# Altium PCB STM32F7_CoreBoard.PcbDoc (part 7 of 8)
Units mm, origin at the board's own origin, x right, y up, seen from the top; angles counter-clockwise.
Board outline 65 x 50 mm, 6 copper layers (L1, L2, L3, L4, L5, L6), stack 1.597 mm thick; 114 components, 192 nets, 736 pads, 791 vias.
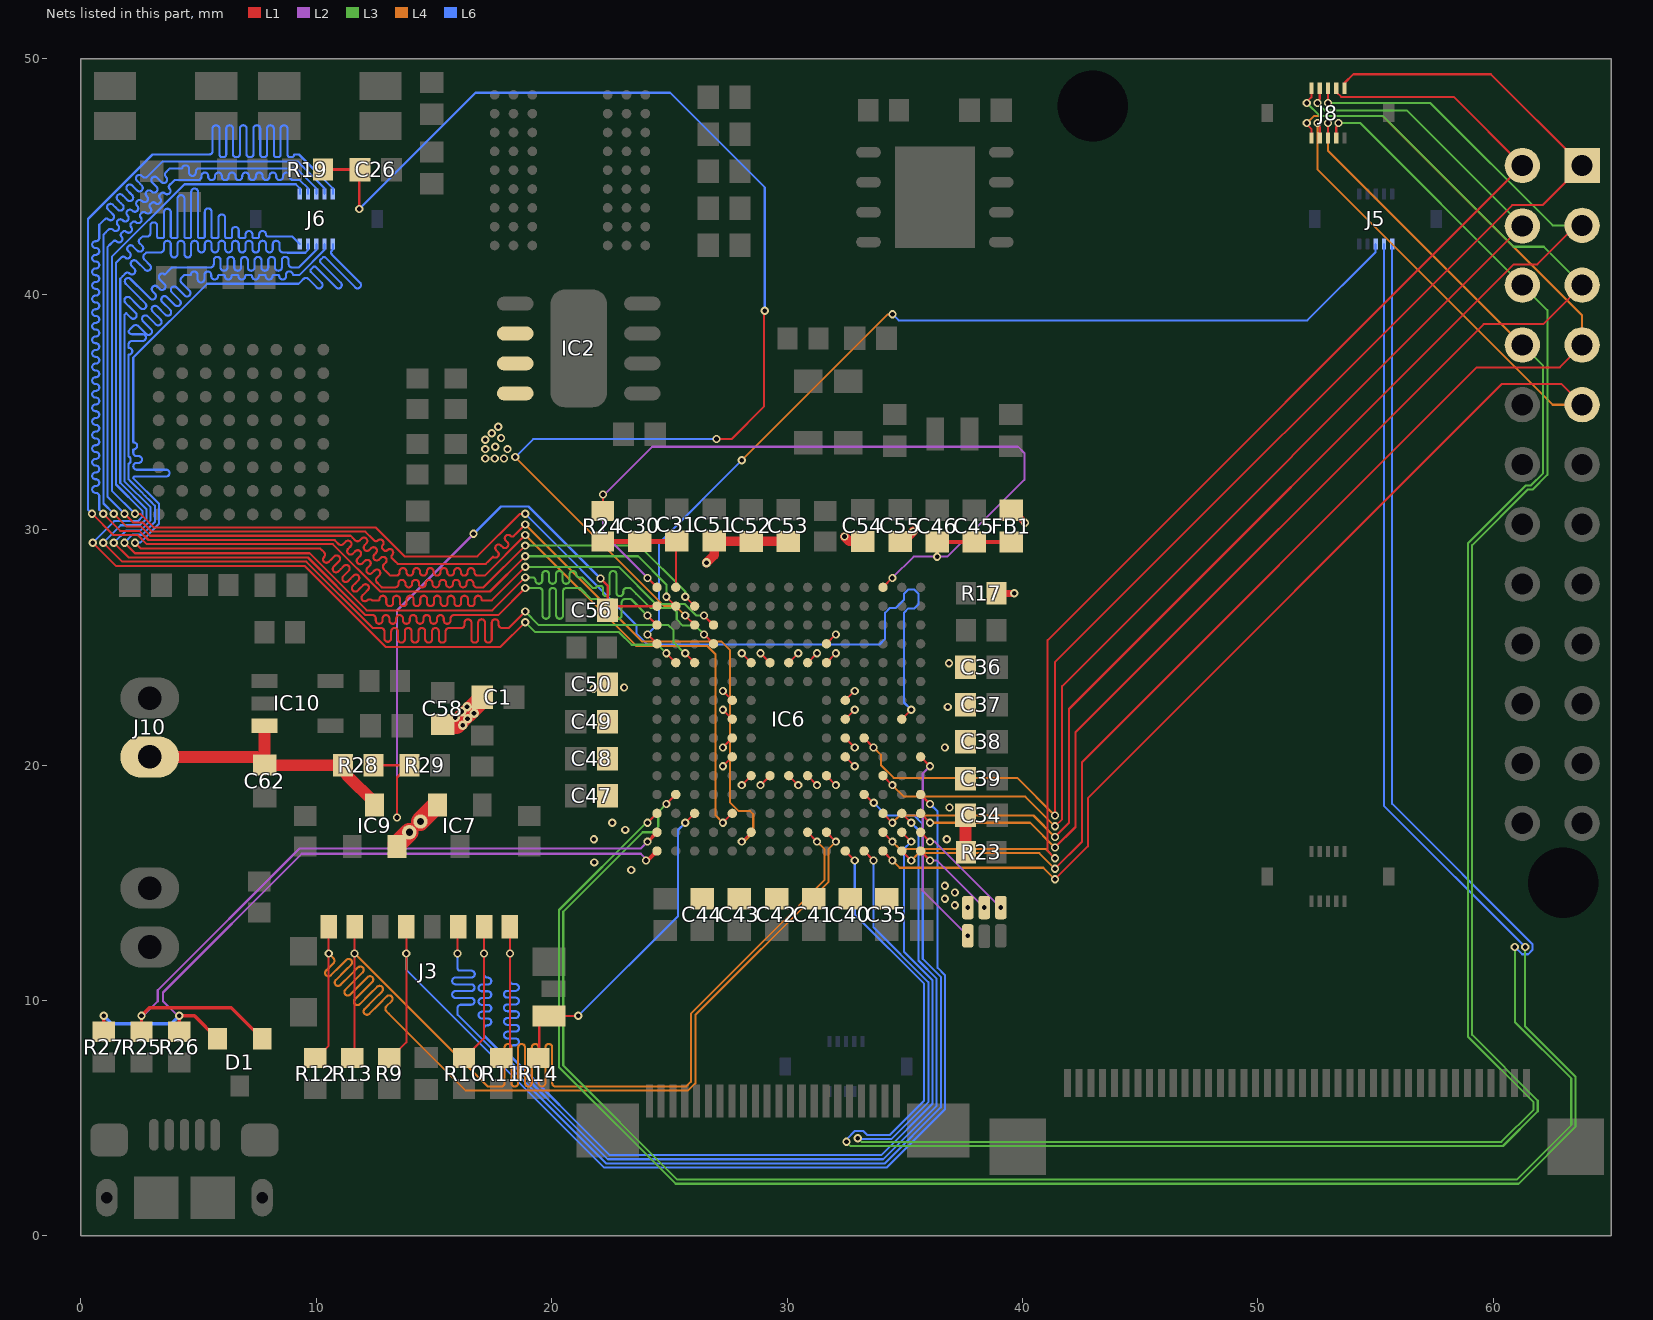
[diagram p11: the nets of this part, all layers, seen from the top]

## Via types
v1: diameter 0.35, hole 0.2, L1 to L6, tented both sides, 737 vias
v2: diameter 0.5, hole 0.25, L1 to L6, tented both sides, 20 vias
v3: diameter 0.4, hole 0.2, L1 to L6, tented both sides, 16 vias
v4: diameter 0.5, hole 0.2, L1 to L6, 12 vias
v5: diameter 0.5, hole 0.5, L1 to L6, 4 vias
v6: diameter 0.6, hole 0.3, L1 to L6, tented both sides, 2 vias

## Nets (pads, with @x,y where several pads share a name; then routed paths per layer and width w, separated by ;. In a path a pad name is that pad's centre, name@x,y a point inside that pad or via, vN(x,y) a via of type N, cw(c..) or ccw(c..) an arc to the next point about the centre after c; other vN are vias at no path point) (continued)
RMII_CRS_DV: IC6.R3 J6.5 | length 67.8
  L1 w0.089: v1(1.4,29.45) 2.028,28.822 9.644,28.822 12.091,26.375 12.236,26.375 12.38,26.375 cw(c12.38,26.231) 12.525,26.231 12.525,26.147 ccw(c12.669,26.147) 12.669,26.003 ccw(c12.669,26.147) 12.814,26.147 12.814,26.231 cw(c12.958,26.231) 12.958,26.375 cw(c12.958,26.231) 13.103,26.231 13.103,26.147 ccw(c13.247,26.147) 13.247,26.003 ccw(c13.247,26.147) 13.392,26.147 13.392,26.231 cw(c13.536,26.231) 13.536,26.375 cw(c13.536,26.231) 13.68,26.231 13.68,26.147 ccw(c13.825,26.147) 13.825,26.003 ccw(c13.825,26.147) 13.969,26.147 13.969,26.231 cw(c14.114,26.231) 14.114,26.375 cw(c14.114,26.231) 14.258,26.231 14.258,26.147 ccw(c14.403,26.147) 14.403,26.003 ccw(c14.403,26.147) 14.547,26.147 14.547,26.231 cw(c14.692,26.231) 14.692,26.375 cw(c14.692,26.231) 14.836,26.231 14.836,26.147 ccw(c14.98,26.147) 14.98,26.003 ccw(c14.98,26.147) 15.125,26.147 15.125,26.231 cw(c15.269,26.231) 15.269,26.375 cw(c15.269,26.231) 15.414,26.231 15.414,26.147 ccw(c15.558,26.147) 15.558,26.003 ccw(c15.558,26.147) 15.703,26.147 15.703,26.231 cw(c15.847,26.231) 15.847,26.375 15.992,26.375 16.225,26.375 17.725,26.375 v1(18.875,27.525) ; v1(24.07,26.353) IC6.R3@24.47,25.953
  L3 w0.089: v1(18.875,27.525) 19.034,27.525 19.322,27.525 19.467,27.525 cw(c19.467,27.381) 19.611,27.381 19.611,26.361 ccw(c19.756,26.361) 19.756,26.217 ccw(c19.756,26.361) 19.9,26.361 19.9,27.381 cw(c20.045,27.381) 20.045,27.525 cw(c20.045,27.381) 20.189,27.381 20.189,26.361 ccw(c20.334,26.361) 20.334,26.217 ccw(c20.334,26.361) 20.478,26.361 20.478,27.381 cw(c20.622,27.381) 20.622,27.525 20.767,27.525 21.056,27.525 21.2,27.525 21.671,27.055 21.815,27.055 21.959,27.055 cw(c21.959,26.91) 22.104,26.91 22.104,26.361 ccw(c22.248,26.361) 22.248,26.217 ccw(c22.248,26.361) 22.393,26.361 22.393,26.91 cw(c22.537,26.91) 22.537,27.055 cw(c22.537,26.91) 22.682,26.91 22.682,26.361 ccw(c22.826,26.361) 22.826,26.217 ccw(c22.826,26.361) 22.971,26.361 22.971,26.91 cw(c23.115,26.91) 23.115,27.055 23.26,27.055 23.368,27.055 23.387,27.037 v1(24.07,26.353)
  L6 w0.089: v1(1.4,29.45) 1.914,29.964 2.528,29.964 2.964,30.4 2.964,30.95 1.847,32.067 1.847,39.122 1.925,39.2 1.926,39.201 2.123,39.004 ccw(c2.225,39.106) 2.327,39.004 ccw(c2.225,39.106) 2.327,39.208 2.13,39.405 1.889,39.646 cw(c1.992,39.748) 1.889,39.85 cw(c1.992,39.748) 2.094,39.85 2.335,39.61 2.532,39.412 ccw(c2.634,39.515) 2.736,39.412 ccw(c2.634,39.515) 2.736,39.617 2.539,39.814 1.905,40.448 cw(c2.007,40.55) 1.905,40.652 cw(c2.007,40.55) 2.109,40.652 2.743,40.018 2.94,39.821 ccw(c3.042,39.923) 3.145,39.821 ccw(c3.042,39.923) 3.145,40.025 3.05,40.12 cw(c3.152,40.222) 3.05,40.325 cw(c3.152,40.222) 3.254,40.325 3.349,40.229 ccw(c3.451,40.332) 3.553,40.229 ccw(c3.451,40.332) 3.553,40.434 3.356,40.631 3.353,40.634 cw(c3.455,40.736) 3.353,40.838 cw(c3.455,40.736) 3.557,40.838 3.56,40.835 3.765,41.04 3.867,41.142 4.65,41.142 4.792,41.142 5.081,41.142 5.225,41.142 5.357,41.142 5.501,41.142 ccw(c5.501,41.286) 5.646,41.286 5.646,41.444 cw(c5.79,41.444) 5.79,41.589 cw(c5.79,41.444) 5.935,41.444 5.935,41.142 ccw(c6.074,41.142) 6.074,41.003 6.085,41.003 ccw(c6.085,41.142) 6.224,41.142 6.224,41.444 cw(c6.368,41.444) 6.368,41.589 cw(c6.368,41.444) 6.513,41.444 6.513,41.142 ccw(c6.651,41.142) 6.651,41.003 6.663,41.003 ccw(c6.663,41.142) 6.801,41.142 6.801,41.444 cw(c6.946,41.444) 6.946,41.589 cw(c6.946,41.444) 7.09,41.444 7.09,41.142 ccw(c7.229,41.142) 7.229,41.003 7.24,41.003 ccw(c7.24,41.142) 7.379,41.142 7.379,41.444 cw(c7.524,41.444) 7.524,41.589 cw(c7.524,41.444) 7.668,41.444 7.668,41.142 ccw(c7.807,41.142) 7.807,41.003 7.818,41.003 ccw(c7.818,41.142) 7.957,41.142 7.957,41.444 cw(c8.101,41.444) 8.101,41.589 cw(c8.101,41.444) 8.246,41.444 8.246,41.142 ccw(c8.385,41.142) 8.385,41.003 8.396,41.003 ccw(c8.396,41.142) 8.535,41.142 8.535,41.444 cw(c8.679,41.444) 8.679,41.589 cw(c8.679,41.444) 8.824,41.444 8.824,41.286 ccw(c8.968,41.286) 8.968,41.142 9.113,41.142 9.257,41.142 10,41.885 J6.5@10,42.14
RMII_MDC: IC6.M3 J6.1 | length 67.1
  L1 w0.089: v1(2.3,29.45) 2.55,29.2 9.718,29.2 9.733,29.2 10.022,29.2 10.166,29.2 10.222,29.145 10.329,29.037 cw(c10.233,28.941) 10.329,28.844 ccw(c10.431,28.742) 10.329,28.64 ccw(c10.431,28.742) 10.534,28.64 10.63,28.736 10.762,28.868 cw(c10.864,28.766) 10.966,28.868 cw(c10.864,28.766) 10.966,28.664 10.834,28.532 10.738,28.436 ccw(c10.84,28.334) 10.738,28.231 ccw(c10.84,28.334) 10.942,28.231 11.039,28.328 11.17,28.459 cw(c11.272,28.357) 11.374,28.459 cw(c11.272,28.357) 11.374,28.255 11.243,28.124 11.146,28.027 ccw(c11.249,27.925) 11.146,27.823 ccw(c11.249,27.925) 11.351,27.823 11.447,27.919 11.579,28.051 cw(c11.681,27.949) 11.783,28.051 cw(c11.681,27.949) 11.783,27.847 11.651,27.715 11.555,27.619 ccw(c11.657,27.516) 11.555,27.414 ccw(c11.657,27.516) 11.759,27.414 11.856,27.511 11.987,27.642 cw(c12.089,27.54) 12.192,27.642 cw(c12.089,27.54) 12.192,27.438 12.06,27.306 11.964,27.21 ccw(c12.066,27.108) 11.964,27.006 ccw(c12.066,27.108) 12.168,27.006 cw(c12.264,26.909) 12.361,27.006 12.366,27 12.45,27 12.63,27 ccw(c12.63,27.053) 12.683,27.053 cw(c12.828,27.053) 12.828,27.197 cw(c12.828,27.053) 12.972,27.053 12.972,27 12.972,26.897 ccw(c13.117,26.897) 13.117,26.753 ccw(c13.117,26.897) 13.261,26.897 13.261,27 13.261,27.053 cw(c13.405,27.053) 13.405,27.197 cw(c13.405,27.053) 13.55,27.053 13.55,27 13.55,26.897 ccw(c13.694,26.897) 13.694,26.753 ccw(c13.694,26.897) 13.839,26.897 13.839,27 13.839,27.053 cw(c13.983,27.053) 13.983,27.197 cw(c13.983,27.053) 14.128,27.053 14.128,27 14.128,26.897 ccw(c14.272,26.897) 14.272,26.753 ccw(c14.272,26.897) 14.417,26.897 14.417,27 14.417,27.053 cw(c14.561,27.053) 14.561,27.197 cw(c14.561,27.053) 14.705,27.053 14.705,27 14.705,26.897 ccw(c14.85,26.897) 14.85,26.753 ccw(c14.85,26.897) 14.994,26.897 14.994,27 14.994,27.053 cw(c15.139,27.053) 15.139,27.197 cw(c15.139,27.053) 15.283,27.053 15.283,27 15.283,26.897 ccw(c15.428,26.897) 15.428,26.753 ccw(c15.428,26.897) 15.572,26.897 15.572,27 15.572,27.053 cw(c15.717,27.053) 15.717,27.197 cw(c15.717,27.053) 15.861,27.053 15.861,27 15.861,26.897 ccw(c16.006,26.897) 16.006,26.753 ccw(c16.006,26.897) 16.15,26.897 16.15,27 16.15,27.053 cw(c16.294,27.053) 16.294,27.197 cw(c16.294,27.053) 16.439,27.053 16.439,27 16.439,26.897 ccw(c16.583,26.897) 16.583,26.753 ccw(c16.583,26.897) 16.728,26.897 16.728,27 16.728,27.053 cw(c16.872,27.053) 16.872,27.197 cw(c16.872,27.053) 17.017,27.053 ccw(c17.069,27.053) 17.069,27 17.306,27 17.45,27 v1(18.875,28.425) ; v1(26.47,26.353) IC6.M3@26.87,25.953
  L3 w0.089: v1(18.875,28.425) 22.846,28.425 24.426,26.845 25.655,26.845 26.147,26.353 v1(26.47,26.353)
  L6 w0.089: v1(2.3,29.45) 2.517,29.45 3.32,30.253 3.32,31.097 2.225,32.192 2.225,32.2 cw(c2.286,32.2) 2.286,32.261 3.62,32.261 ccw(c3.62,32.406) 3.764,32.406 ccw(c3.62,32.406) 3.62,32.55 2.369,32.55 cw(c2.369,32.694) 2.225,32.694 cw(c2.369,32.694) 2.369,32.839 2.452,32.839 ccw(c2.452,32.983) 2.597,32.983 ccw(c2.452,32.983) 2.452,33.128 2.369,33.128 cw(c2.369,33.272) 2.225,33.272 2.225,33.396 cw(c2.246,33.396) 2.246,33.417 ccw(c2.246,33.561) 2.39,33.561 ccw(c2.246,33.561) 2.246,33.706 cw(c2.246,33.726) 2.225,33.726 2.225,33.85 2.225,37.314 5.361,40.45 9.251,40.45 9.353,40.552 9.455,40.654 cw(c9.558,40.552) 9.66,40.654 10.019,40.295 ccw(c10.121,40.397) 10.223,40.295 ccw(c10.121,40.397) 10.223,40.499 9.762,40.961 cw(c9.805,41.004) 9.762,41.047 9.88,41.165 cw(c9.923,41.122) 9.966,41.165 10.836,40.295 ccw(c10.938,40.397) 11.04,40.295 ccw(c10.938,40.397) 11.04,40.499 10.17,41.369 cw(c10.213,41.412) 10.17,41.455 10.289,41.574 cw(c10.332,41.53) 10.375,41.574 11.653,40.295 ccw(c11.755,40.397) 11.857,40.295 ccw(c11.755,40.397) 11.857,40.499 10.663,41.694 cw(c10.747,41.778) 10.663,41.862 10.7,41.899 J6.1@10.7,42.14
RMII_MDIO: IC6.P2 J6.2 | length 67.8
  L1 w0.089: v1(0.475,30.675) 1.375,29.775 2.411,29.775 2.797,29.389 10.696,29.389 12.71,27.375 17.375,27.375 v1(18.875,28.875) ; v1(24.87,27.153) IC6.P2@25.27,26.753
  L3 w0.089: v1(18.875,28.875) 23.67,28.875 24.87,27.675 v1(24.87,27.153)
  L6 w0.089: v1(0.475,30.675) 0.3,30.85 0.3,43.2 3.042,45.942 5.45,45.942 ccw(c5.45,46.086) 5.594,46.086 5.594,47.036 cw(c5.739,47.036) 5.739,47.181 cw(c5.739,47.036) 5.883,47.036 5.883,45.942 ccw(c5.997,45.942) 5.997,45.828 6.058,45.828 ccw(c6.058,45.942) 6.172,45.942 6.172,47.036 cw(c6.317,47.036) 6.317,47.181 cw(c6.317,47.036) 6.461,47.036 6.461,45.942 ccw(c6.575,45.942) 6.575,45.828 6.636,45.828 ccw(c6.636,45.942) 6.75,45.942 6.75,47.036 cw(c6.894,47.036) 6.894,47.181 cw(c6.894,47.036) 7.039,47.036 7.039,45.942 ccw(c7.153,45.942) 7.153,45.828 7.214,45.828 ccw(c7.214,45.942) 7.328,45.942 7.328,47.036 cw(c7.472,47.036) 7.472,47.181 cw(c7.472,47.036) 7.617,47.036 7.617,45.942 ccw(c7.731,45.942) 7.731,45.828 7.792,45.828 ccw(c7.792,45.942) 7.906,45.942 7.906,47.036 cw(c8.05,47.036) 8.05,47.181 cw(c8.05,47.036) 8.195,47.036 8.195,45.942 ccw(c8.308,45.942) 8.308,45.828 8.37,45.828 ccw(c8.37,45.942) 8.483,45.942 8.483,47.036 cw(c8.628,47.036) 8.628,47.181 cw(c8.628,47.036) 8.772,47.036 8.772,45.942 ccw(c8.886,45.942) 8.886,45.828 8.947,45.828 ccw(c8.947,45.942) 9.061,45.942 9.264,45.942 10.7,44.505 J6.2@10.7,44.26
RMII_REF_CLK: IC6.N2 J6.4 | length 67.2
  L1 w0.089: v1(0.95,30.675) 1.672,29.953 2.485,29.953 2.871,29.567 10.65,29.567 10.77,29.567 10.84,29.497 10.942,29.394 ccw(c11.044,29.497) 11.147,29.394 11.247,29.495 cw(c11.349,29.393) 11.451,29.495 cw(c11.349,29.393) 11.451,29.29 11.351,29.19 ccw(c11.453,29.088) 11.351,28.986 ccw(c11.453,29.088) 11.555,28.986 11.655,29.086 cw(c11.758,28.984) 11.86,29.086 cw(c11.758,28.984) 11.86,28.882 11.759,28.782 ccw(c11.862,28.679) 11.759,28.577 ccw(c11.862,28.679) 11.964,28.577 12.064,28.678 cw(c12.166,28.575) 12.268,28.678 cw(c12.166,28.575) 12.268,28.473 12.168,28.373 ccw(c12.27,28.271) 12.168,28.169 ccw(c12.27,28.271) 12.372,28.169 12.473,28.269 cw(c12.575,28.167) 12.677,28.269 cw(c12.575,28.167) 12.677,28.065 12.577,27.964 ccw(c12.679,27.862) 12.577,27.76 12.679,27.658 12.781,27.556 12.784,27.553 12.914,27.553 13.203,27.553 13.347,27.553 ccw(c13.347,27.697) 13.492,27.697 13.492,27.728 cw(c13.636,27.728) 13.636,27.872 cw(c13.636,27.728) 13.78,27.728 13.78,27.697 ccw(c13.925,27.697) 13.925,27.553 ccw(c13.925,27.697) 14.069,27.697 14.069,27.728 cw(c14.214,27.728) 14.214,27.872 cw(c14.214,27.728) 14.358,27.728 14.358,27.697 ccw(c14.503,27.697) 14.503,27.553 ccw(c14.503,27.697) 14.647,27.697 14.647,27.728 cw(c14.792,27.728) 14.792,27.872 cw(c14.792,27.728) 14.936,27.728 14.936,27.697 ccw(c15.081,27.697) 15.081,27.553 ccw(c15.081,27.697) 15.225,27.697 15.225,27.728 cw(c15.369,27.728) 15.369,27.872 cw(c15.369,27.728) 15.514,27.728 15.514,27.697 ccw(c15.658,27.697) 15.658,27.553 ccw(c15.658,27.697) 15.803,27.697 15.803,27.728 cw(c15.947,27.728) 15.947,27.872 cw(c15.947,27.728) 16.092,27.728 16.092,27.697 ccw(c16.236,27.697) 16.236,27.553 ccw(c16.236,27.697) 16.381,27.697 16.381,27.728 cw(c16.525,27.728) 16.525,27.872 cw(c16.525,27.728) 16.669,27.728 16.669,27.697 ccw(c16.814,27.697) 16.814,27.553 16.958,27.553 17.103,27.553 v1(18.875,29.325) ; v1(25.67,27.153) IC6.N2@26.07,26.753
  L3 w0.089: v1(18.875,29.325) 23.721,29.325 25.67,27.376 v1(25.67,27.153)
  L6 w0.089: v1(0.95,30.675) 0.78,30.845 0.78,30.989 0.78,31.278 0.78,31.422 ccw(c0.636,31.422) 0.636,31.567 0.622,31.567 cw(c0.622,31.711) 0.478,31.711 cw(c0.622,31.711) 0.622,31.856 0.636,31.856 ccw(c0.636,32) 0.78,32 ccw(c0.636,32) 0.636,32.145 0.622,32.145 cw(c0.622,32.289) 0.478,32.289 cw(c0.622,32.289) 0.622,32.434 0.636,32.434 ccw(c0.636,32.578) 0.78,32.578 ccw(c0.636,32.578) 0.636,32.722 0.622,32.722 cw(c0.622,32.867) 0.478,32.867 cw(c0.622,32.867) 0.622,33.011 0.636,33.011 ccw(c0.636,33.156) 0.78,33.156 ccw(c0.636,33.156) 0.636,33.3 0.622,33.3 cw(c0.622,33.445) 0.478,33.445 cw(c0.622,33.445) 0.622,33.589 0.636,33.589 ccw(c0.636,33.734) 0.78,33.734 ccw(c0.636,33.734) 0.636,33.878 0.622,33.878 cw(c0.622,34.022) 0.478,34.022 cw(c0.622,34.022) 0.622,34.167 0.636,34.167 ccw(c0.636,34.311) 0.78,34.311 ccw(c0.636,34.311) 0.636,34.456 0.622,34.456 cw(c0.622,34.6) 0.478,34.6 cw(c0.622,34.6) 0.622,34.745 0.636,34.745 ccw(c0.636,34.889) 0.78,34.889 ccw(c0.636,34.889) 0.636,35.034 0.622,35.034 cw(c0.622,35.178) 0.478,35.178 cw(c0.622,35.178) 0.622,35.323 0.636,35.323 ccw(c0.636,35.467) 0.78,35.467 ccw(c0.636,35.467) 0.636,35.611 0.622,35.611 cw(c0.622,35.756) 0.478,35.756 cw(c0.622,35.756) 0.622,35.9 0.636,35.9 ccw(c0.636,36.045) 0.78,36.045 ccw(c0.636,36.045) 0.636,36.189 0.622,36.189 cw(c0.622,36.334) 0.478,36.334 cw(c0.622,36.334) 0.622,36.478 0.636,36.478 ccw(c0.636,36.623) 0.78,36.623 ccw(c0.636,36.623) 0.636,36.767 0.622,36.767 cw(c0.622,36.911) 0.478,36.911 cw(c0.622,36.911) 0.622,37.056 0.636,37.056 ccw(c0.636,37.2) 0.78,37.2 ccw(c0.636,37.2) 0.636,37.345 0.622,37.345 cw(c0.622,37.489) 0.478,37.489 cw(c0.622,37.489) 0.622,37.634 0.636,37.634 ccw(c0.636,37.778) 0.78,37.778 ccw(c0.636,37.778) 0.636,37.923 0.622,37.923 cw(c0.622,38.067) 0.478,38.067 cw(c0.622,38.067) 0.622,38.212 0.636,38.212 ccw(c0.636,38.356) 0.78,38.356 ccw(c0.636,38.356) 0.636,38.5 0.622,38.5 cw(c0.622,38.645) 0.478,38.645 cw(c0.622,38.645) 0.622,38.789 0.636,38.789 ccw(c0.636,38.934) 0.78,38.934 ccw(c0.636,38.934) 0.636,39.078 0.622,39.078 cw(c0.622,39.223) 0.478,39.223 cw(c0.622,39.223) 0.622,39.367 0.636,39.367 ccw(c0.636,39.512) 0.78,39.512 ccw(c0.636,39.512) 0.636,39.656 0.622,39.656 cw(c0.622,39.8) 0.478,39.8 cw(c0.622,39.8) 0.622,39.945 0.636,39.945 ccw(c0.636,40.089) 0.78,40.089 ccw(c0.636,40.089) 0.636,40.234 0.622,40.234 cw(c0.622,40.378) 0.478,40.378 cw(c0.622,40.378) 0.622,40.523 0.636,40.523 ccw(c0.636,40.667) 0.78,40.667 ccw(c0.636,40.667) 0.636,40.812 0.622,40.812 cw(c0.622,40.956) 0.478,40.956 cw(c0.622,40.956) 0.622,41.101 0.636,41.101 ccw(c0.636,41.245) 0.78,41.245 ccw(c0.636,41.245) 0.636,41.389 0.622,41.389 cw(c0.622,41.534) 0.478,41.534 cw(c0.622,41.534) 0.622,41.678 0.636,41.678 ccw(c0.636,41.823) 0.78,41.823 ccw(c0.636,41.823) 0.636,41.967 0.622,41.967 cw(c0.622,42.112) 0.478,42.112 cw(c0.622,42.112) 0.622,42.256 0.636,42.256 ccw(c0.636,42.401) 0.78,42.401 0.78,42.545 0.78,42.75 0.78,42.954 0.883,43.056 1.015,43.189 cw(c1.087,43.118) 1.158,43.189 ccw(c1.26,43.291) 1.363,43.189 ccw(c1.26,43.291) 1.363,43.393 1.291,43.465 1.156,43.6 cw(c1.258,43.702) 1.156,43.804 cw(c1.258,43.702) 1.36,43.804 1.495,43.669 1.567,43.598 ccw(c1.669,43.7) 1.771,43.598 ccw(c1.669,43.7) 1.771,43.802 1.7,43.873 1.564,44.009 cw(c1.666,44.111) 1.564,44.213 cw(c1.666,44.111) 1.769,44.213 1.904,44.078 1.975,44.006 ccw(c2.078,44.108) 2.18,44.006 ccw(c2.078,44.108) 2.18,44.21 2.108,44.282 1.973,44.417 cw(c2.075,44.519) 1.973,44.621 cw(c2.075,44.519) 2.177,44.621 2.313,44.486 2.384,44.415 ccw(c2.486,44.517) 2.588,44.415 ccw(c2.486,44.517) 2.588,44.619 2.517,44.69 2.381,44.826 cw(c2.484,44.928) 2.381,45.03 cw(c2.484,44.928) 2.586,45.03 2.619,44.997 ccw(c2.721,45.099) 2.823,44.997 2.826,44.999 3.476,45.65 9.2,45.65 10.35,44.5 J6.4@10.35,44.26
RMII_RXD0: IC6.N5 J6.7 | length 67.8
  L1 w0.089: v1(0.95,29.45) 1.756,28.644 9.571,28.644 12.39,25.825 12.525,25.825 12.603,25.825 12.747,25.825 cw(c12.747,25.681) 12.892,25.681 12.892,25.383 ccw(c13.036,25.383) 13.036,25.239 ccw(c13.036,25.383) 13.18,25.383 13.18,25.681 cw(c13.325,25.681) 13.325,25.825 cw(c13.325,25.681) 13.469,25.681 13.469,25.347 ccw(c13.614,25.347) 13.614,25.203 ccw(c13.614,25.347) 13.758,25.347 13.758,25.681 cw(c13.903,25.681) 13.903,25.825 cw(c13.903,25.681) 14.047,25.681 14.047,25.347 ccw(c14.192,25.347) 14.192,25.203 ccw(c14.192,25.347) 14.336,25.347 14.336,25.681 cw(c14.481,25.681) 14.481,25.825 cw(c14.481,25.681) 14.625,25.681 14.625,25.347 ccw(c14.769,25.347) 14.769,25.203 ccw(c14.769,25.347) 14.914,25.347 14.914,25.681 cw(c15.058,25.681) 15.058,25.825 cw(c15.058,25.681) 15.203,25.681 15.203,25.347 ccw(c15.347,25.347) 15.347,25.203 ccw(c15.347,25.347) 15.492,25.347 15.492,25.681 cw(c15.636,25.681) 15.636,25.825 15.781,25.825 15.925,25.825 16.008,25.825 16.153,25.825 ccw(c16.153,25.969) 16.297,25.969 16.297,26.053 cw(c16.442,26.053) 16.442,26.197 cw(c16.442,26.053) 16.586,26.053 16.586,25.825 16.586,25.347 ccw(c16.731,25.347) 16.731,25.203 ccw(c16.731,25.347) 16.875,25.347 16.875,25.825 16.875,26.053 cw(c17.019,26.053) 17.019,26.197 cw(c17.019,26.053) 17.164,26.053 17.164,25.825 17.164,25.347 ccw(c17.308,25.347) 17.308,25.203 ccw(c17.308,25.347) 17.453,25.347 17.453,25.825 17.453,26.053 cw(c17.597,26.053) 17.597,26.197 cw(c17.597,26.053) 17.742,26.053 17.742,25.969 ccw(c17.886,25.969) 17.886,25.825 18.031,25.825 18.175,25.825 v1(18.875,26.525) ; v1(25.67,24.753) IC6.N5@26.07,24.353
  L3 w0.089: v1(18.875,26.525) 19.45,25.95 24.96,25.95 25.179,25.732 25.179,25.215 25.641,24.753 v1(25.67,24.753)
  L6 w0.089: v1(0.95,29.45) 1.689,30.189 2.501,30.189 2.786,30.474 2.786,30.876 1.669,31.993 1.669,40.668 1.772,40.77 1.888,40.887 cw(c1.976,40.799) 2.064,40.887 ccw(c2.166,40.989) 2.268,40.887 ccw(c2.166,40.989) 2.268,41.091 2.18,41.179 2.157,41.202 cw(c2.259,41.304) 2.157,41.406 cw(c2.259,41.304) 2.362,41.406 2.384,41.383 2.727,41.041 ccw(c2.829,41.143) 2.931,41.041 ccw(c2.829,41.143) 2.931,41.245 2.691,41.485 cw(c2.793,41.587) 2.691,41.69 2.774,41.773 3.375,41.773 3.383,41.781 ccw(c3.383,41.926) 3.528,41.926 3.528,42.129 cw(c3.672,42.129) 3.672,42.274 cw(c3.672,42.129) 3.817,42.129 3.817,41.781 3.817,41.714 ccw(c3.961,41.714) 3.961,41.569 ccw(c3.961,41.714) 4.106,41.714 4.106,41.781 4.106,42.129 cw(c4.25,42.129) 4.25,42.274 cw(c4.25,42.129) 4.394,42.129 4.394,41.781 4.394,41.714 ccw(c4.539,41.714) 4.539,41.569 ccw(c4.539,41.714) 4.683,41.714 4.683,41.781 4.683,42.129 cw(c4.828,42.129) 4.828,42.274 cw(c4.828,42.129) 4.972,42.129 4.972,41.926 ccw(c5.117,41.926) 5.117,41.781 ccw(c5.117,41.926) 5.261,41.926 5.261,42.129 cw(c5.406,42.129) 5.406,42.274 cw(c5.406,42.129) 5.55,42.129 5.55,41.926 ccw(c5.695,41.926) 5.695,41.781 ccw(c5.695,41.926) 5.839,41.926 5.839,42.129 cw(c5.983,42.129) 5.983,42.274 cw(c5.983,42.129) 6.128,42.129 6.128,41.926 ccw(c6.272,41.926) 6.272,41.781 ccw(c6.272,41.926) 6.417,41.926 6.417,42.129 cw(c6.561,42.129) 6.561,42.274 cw(c6.561,42.129) 6.706,42.129 6.706,41.926 ccw(c6.85,41.926) 6.85,41.781 ccw(c6.85,41.926) 6.995,41.926 6.995,42.129 cw(c7.139,42.129) 7.139,42.274 cw(c7.139,42.129) 7.283,42.129 7.283,41.926 ccw(c7.428,41.926) 7.428,41.781 ccw(c7.428,41.926) 7.572,41.926 7.572,42.129 cw(c7.717,42.129) 7.717,42.274 cw(c7.717,42.129) 7.861,42.129 7.861,41.926 ccw(c8.006,41.926) 8.006,41.781 ccw(c8.006,41.926) 8.15,41.926 8.15,42.129 cw(c8.295,42.129) 8.295,42.274 cw(c8.295,42.129) 8.439,42.129 8.439,41.926 ccw(c8.584,41.926) 8.584,41.781 8.728,41.781 8.772,41.781 8.786,41.767 9.531,41.767 9.65,41.886 J6.7@9.65,42.14
RMII_RXD1: IC6.P5 J6.9 | length 67.7
  L1 w0.089: v1(0.5,29.45) 1.483,28.467 9.497,28.467 12.939,25.025 17.825,25.025 v1(18.875,26.075) ; v1(24.87,24.753) IC6.P5@25.27,24.353
  L3 w0.089: v1(18.875,26.075) 19.297,25.653 22.858,25.653 23.397,25.114 24.509,25.114 v1(24.87,24.753)
  L6 w0.089: v1(0.5,29.45) 1.417,30.367 2.428,30.367 2.608,30.547 2.608,30.803 1.492,31.919 1.492,41.335 1.594,41.437 1.726,41.569 cw(c1.798,41.497) 1.87,41.569 ccw(c1.972,41.671) 2.074,41.569 ccw(c1.972,41.671) 2.074,41.774 2.002,41.845 cw(c2.093,41.936) 2.002,42.026 2.026,42.05 cw(c2.116,41.959) 2.207,42.05 2.401,41.855 ccw(c2.503,41.957) 2.605,41.855 ccw(c2.503,41.957) 2.605,42.06 2.491,42.174 cw(c2.571,42.254) 2.491,42.334 2.541,42.384 2.609,42.452 2.661,42.452 2.806,42.452 ccw(c2.806,42.596) 2.95,42.596 2.95,42.914 cw(c3.094,42.914) 3.094,43.058 cw(c3.094,42.914) 3.239,42.914 3.239,42.452 ccw(c3.298,42.452) 3.298,42.393 3.469,42.393 ccw(c3.469,42.452) 3.528,42.452 3.528,43.492 cw(c3.672,43.492) 3.672,43.636 cw(c3.672,43.492) 3.817,43.492 3.817,42.452 ccw(c3.875,42.452) 3.875,42.393 4.047,42.393 ccw(c4.047,42.452) 4.106,42.452 4.106,44.069 cw(c4.25,44.069) 4.25,44.214 cw(c4.25,44.069) 4.394,44.069 4.394,42.452 ccw(c4.453,42.452) 4.453,42.393 4.625,42.393 ccw(c4.625,42.452) 4.683,42.452 4.683,44.353 cw(c4.828,44.353) 4.828,44.497 cw(c4.828,44.353) 4.972,44.353 4.972,42.452 ccw(c5.031,42.452) 5.031,42.393 5.202,42.393 ccw(c5.202,42.452) 5.261,42.452 5.261,43.505 cw(c5.406,43.505) 5.406,43.65 cw(c5.406,43.505) 5.55,43.505 5.55,42.452 ccw(c5.609,42.452) 5.609,42.393 5.78,42.393 ccw(c5.78,42.452) 5.839,42.452 5.839,43.245 cw(c5.983,43.245) 5.983,43.39 cw(c5.983,43.245) 6.128,43.245 6.128,42.452 ccw(c6.187,42.452) 6.187,42.393 6.358,42.393 ccw(c6.358,42.452) 6.417,42.452 6.417,42.717 cw(c6.561,42.717) 6.561,42.862 cw(c6.561,42.717) 6.706,42.717 6.706,42.452 ccw(c6.764,42.452) 6.764,42.393 6.936,42.393 ccw(c6.936,42.452) 6.995,42.452 6.995,42.545 cw(c7.139,42.545) 7.139,42.689 cw(c7.139,42.545) 7.283,42.545 7.283,42.452 ccw(c7.342,42.452) 7.342,42.393 7.514,42.393 ccw(c7.514,42.452) 7.572,42.452 7.572,42.547 cw(c7.717,42.547) 7.717,42.692 cw(c7.717,42.547) 7.861,42.547 ccw(c7.957,42.547) 7.957,42.452 8.15,42.452 8.295,42.452 8.988,42.452 J6.9@9.3,42.14
RMII_RXER: IC6.M4 J6.3 | length 63.7
  L1 w0.089: v1(1.85,29.45) 2.3,29 9.718,29 12.143,26.575 17.475,26.575 v1(18.876,27.976) ; v1(26.47,25.553) IC6.M4@26.87,25.153
  L3 w0.089: v1(18.876,27.976) 19.02,27.976 19.18,27.976 cw(c19.18,27.847) 19.309,27.847 ccw(c19.454,27.847) 19.454,27.703 ccw(c19.454,27.847) 19.598,27.847 19.598,27.976 19.598,28.103 cw(c19.743,28.103) 19.743,28.247 cw(c19.743,28.103) 19.887,28.103 19.887,27.976 19.887,27.847 ccw(c20.032,27.847) 20.032,27.703 ccw(c20.032,27.847) 20.176,27.847 20.176,27.976 20.176,28.103 cw(c20.32,28.103) 20.32,28.247 cw(c20.32,28.103) 20.465,28.103 20.465,27.976 20.465,27.847 ccw(c20.609,27.847) 20.609,27.703 ccw(c20.609,27.847) 20.754,27.847 20.754,27.976 20.754,28.103 cw(c20.898,28.103) 20.898,28.247 cw(c20.898,28.103) 21.043,28.103 ccw(c21.169,28.103) 21.169,27.976 21.288,27.976 21.74,27.525 21.884,27.525 cw(c21.976,27.525) 21.976,27.617 22.081,27.617 cw(c22.081,27.525) 22.173,27.525 22.173,27.322 ccw(c22.317,27.322) 22.317,27.177 ccw(c22.317,27.322) 22.462,27.322 22.462,27.525 22.462,28.103 cw(c22.606,28.103) 22.606,28.247 cw(c22.606,28.103) 22.751,28.103 22.751,27.525 22.751,27.322 ccw(c22.895,27.322) 22.895,27.177 ccw(c22.895,27.322) 23.04,27.322 23.04,27.381 cw(c23.184,27.381) 23.184,27.525 23.329,27.525 23.341,27.525 23.444,27.423 23.59,27.276 24.2,26.667 25.145,26.667 25.309,26.502 25.309,26.191 25.571,25.929 26.094,25.929 v1(26.47,25.553)